# Altium PCB MotorDriver.PcbDoc
Units mil, origin at the board's own origin, x right, y up, seen from the top; angles counter-clockwise.
Board outline 2820.03 x 1705.03 mil, 2 copper layers (Top Layer, Bottom Layer); 54 components, 34 nets, 165 pads, 107 vias.
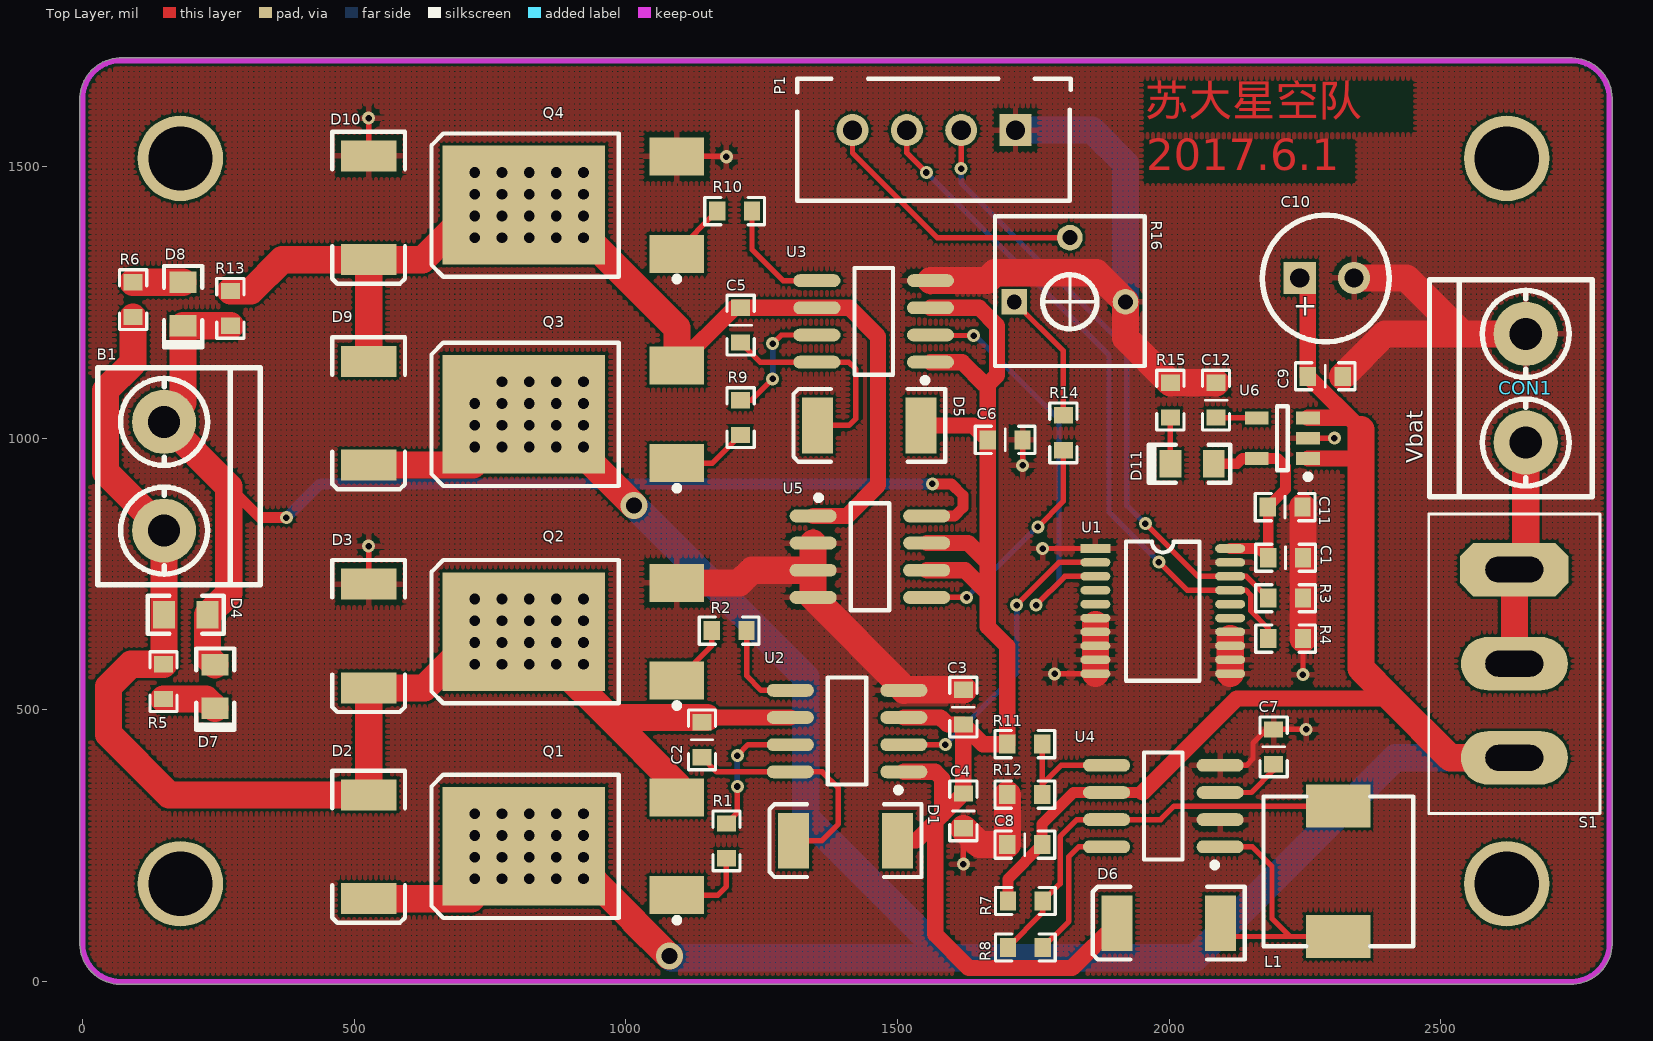
[diagram p0: Top Layer view]
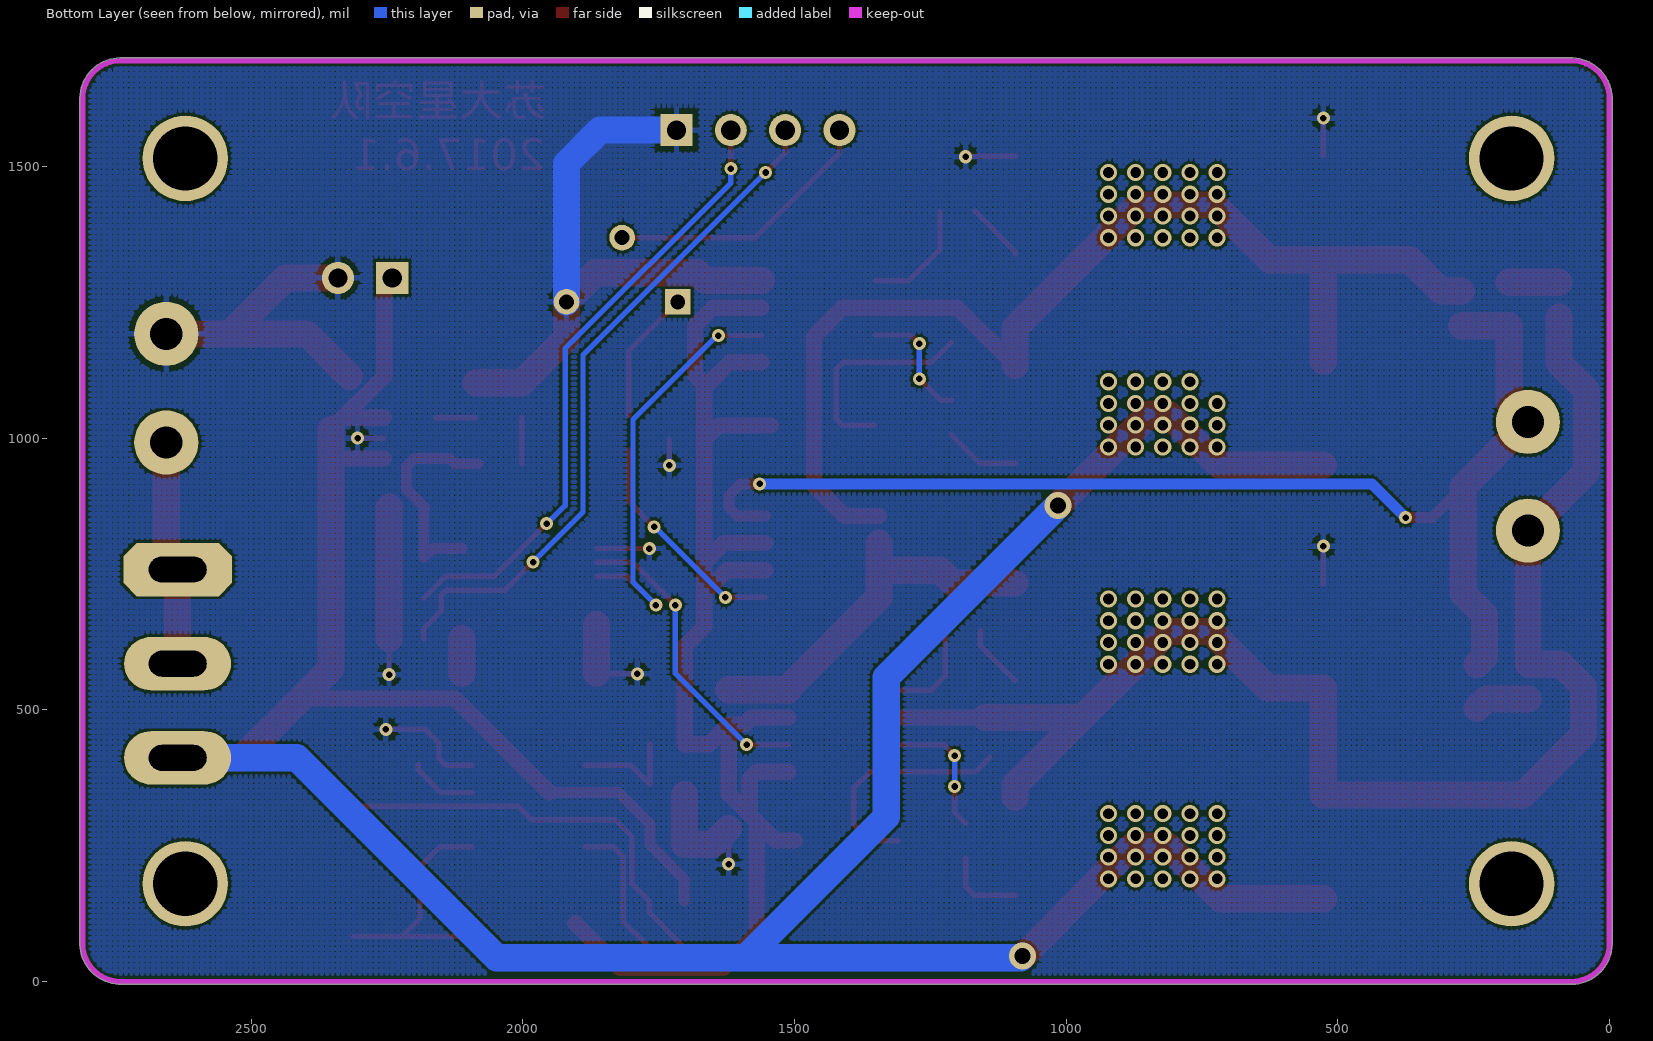
[diagram p1: Bottom Layer view, seen from below]
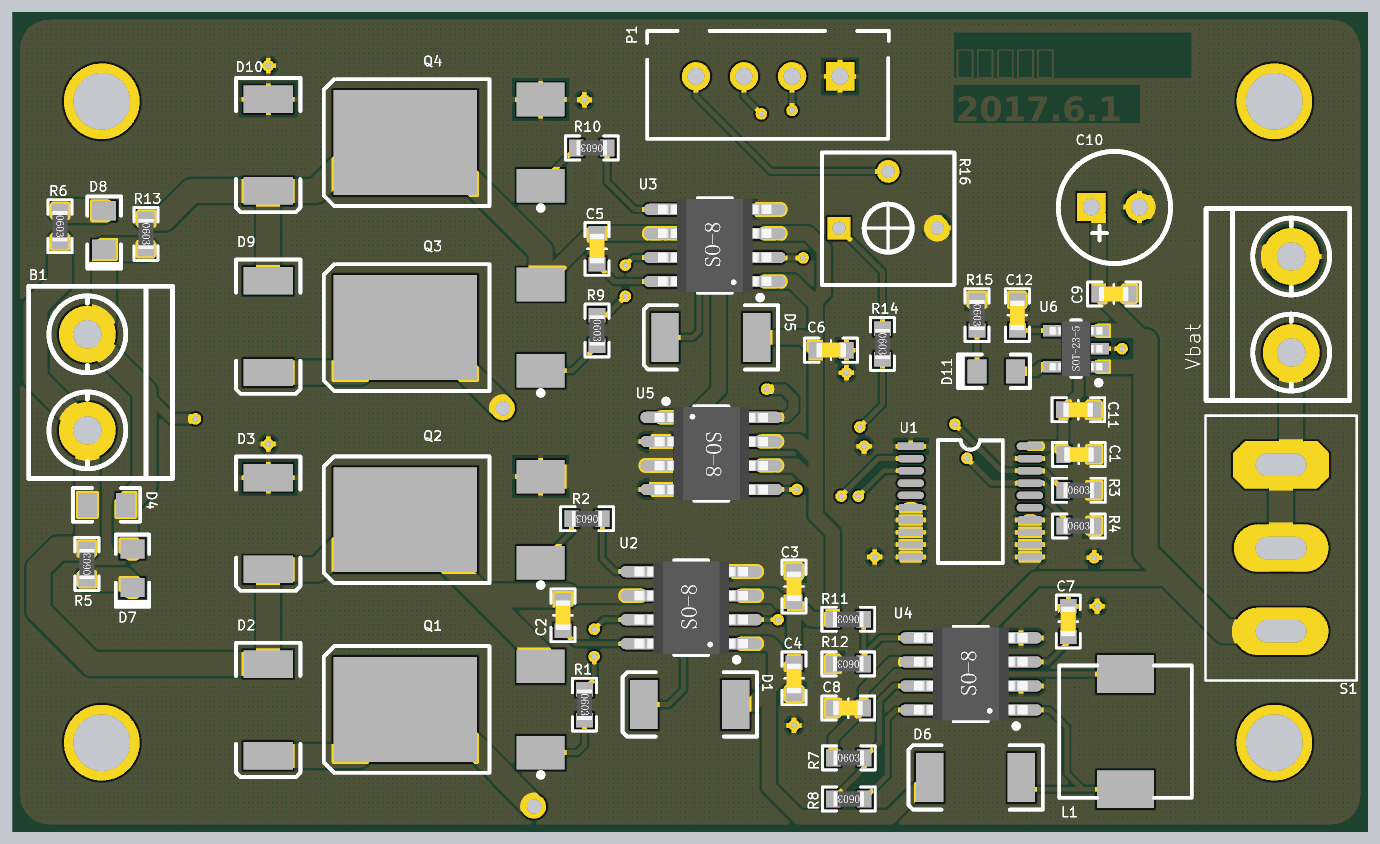
[diagram p2: 3D render of the assembled board from above, using the file's embedded part models]

## Layer stack, top to bottom
Top Solder: solder mask 0.4, Solder Resist, Dk 3.5
Top Layer: signal copper 1.4
Dielectric 1: dielectric 12.6, FR-4, Dk 4.8
Bottom Layer: signal copper 1.4
Bottom Solder: solder mask 0.4, Solder Resist, Dk 3.5

## Board outline
-4.88,68.97 cw(c0,70.13) -5.01,70.13 -5.01,1626 cw(c0,1626) -4.85,1627.27 cw(c70,1625) 67.73,1699.85 cw(c69,1695) 69,1700.01 2739.87,1700.01 cw(c2739.87,1695) 2741.03,1699.88 cw(c2740,1625) 2814.88,1626.03 cw(c2810,1624.87) 2815.01,1624.87 2815.01,70 cw(c2810,70) 2814.88,68.83 cw(c2740,70) 2743.43,-4.81 cw(c2742,0) 2742,-5.01 70.13,-5.01 cw(c70.13,0) 68.97,-4.88 cw(c70,70)

## Design rules (kind name [scope] priority, off if disabled: settings)
Clearance [All] p1: gap=5
MinimumSolderMaskSliver [All] p1: minsoldermaskwidth=0
PolygonConnect [All] p1: connectstyle=Relief reliefconductorwidth=10 reliefentries=4 polygonreliefangle="90 Angle" airgapwidth=10
RoutingVias [All] p1: holewidth=28 width=50 viastyle="Through Hole" minholewidth=1 minwidth=10 maxholewidth=50 maxwidth=100
SilkToSilkClearance [All] p1: silktosilkclearance=0
SilkToSolderMaskClearance [IsPad] p1: minsilkscreentomaskgap=0 clearancetoexposedcopper=TRUE
SolderMaskExpansion [All] p1: expansion=4
Width [All] p1: maxlimit=100 minlimit=5 preferedwidth=10 minimp=50.000000 maximp=50.000000 favimp=50.000000
27 further rules are at their usual default settings.

## Components (designator, comment, footprint, x,y, rotation, side; value= is the part's Value field where it differs from the comment)
B1 "Motor" KF301-2P 150,930 r0 top
C1 "Cap" 0603C 2214,780 r0 top
C2 "Cap" 0603C 1140,445 r90 top
C3 "Cap Pol1" 0603C 1621,505 r90 top
C4 "Cap Pol1" 0603C 1621,314 r270 top
C5 "Cap" 0603C 1211,1208 r90 top
C6 "Cap Pol1" 0603C 1698,997 r0 top
C7 "Cap" 0603C 2192,432 r90 top
C8 "Cap Pol1" 0603C 1734,252 r180 top
C9 "Cap" 0603C 2287,1114 r180 top
C10 "Cap Pol1" Cap-Pol-220uf16V 2240,1295 r180 top
C11 "Cap" 0603C 2213,873 r180 top
C12 "Cap" 0603C 2086,1070 r270 top
CON1 "Vbat" KF301-2P 2656,1092 r180 top
D1 "IN5819" "DL-41 - duplicate" 1404,259 r180 top
D2 "IN5819" "DL-41 - duplicate" 527,248 r270 top
D3 "IN5819" "DL-41 - duplicate" 527,636 r270 top
D4 "U" 0805(2012) 190,675 r180 top
D5 "IN5819" "DL-41 - duplicate" 1448,1023 r180 top
D6 "IN5819" "DL-41 - duplicate" 1999,107 r180 top
D7 "RED" 0805LED 244,543 r270 top
D8 "RED" 0805LED 185,1247 r270 top
D9 "IN5819" "DL-41 - duplicate" 527,1046 r270 top
D10 "IN5819" "DL-41 - duplicate" 527,1424 r270 top
D11 "RED" 0805LED 2042,953 r180 top
L1 "Inductor" 电感8*8_1 2336,413 r90 top
P1 "电机" XH1X4 1717,1567 r180 top
Q1 "IR7843" LR7843 952,249 r0 top
Q2 "IR7843" LR7843 952,644 r0 top
Q3 "IR7843" LR7843 952,1044 r0 top
Q4 "IR7843" LR7843 952,1429 r0 top
R1 "Res2" 0603R 1185,259 r270 top
R2 "Res2" 0603R 1190,646 r180 top
R3 "Res2" 0603R 2214,705.5 r0 top
R4 "Res2" 0603R 2214,631 r0 top
R5 "Res2" 0603R 149,552 r90 top
R6 "Res2" 0603R 93,1255 r270 top
R7 "Res2" 0603R 1735,148.31 r0 top
R8 "Res2" 0603R 1735,62.75 r180 top
R9 "Res2" 0603R 1211,1038 r270 top
R10 "Res2" 0603R 1200,1418 r180 top
R11 "Res2" 0603R 1734,437 r180 top
R12 "Res2" 0603R 1734,344 r180 top
R13 "Res2" 0603R 272,1239 r270 top
R14 "Res2" 0603R 1805,1010 r270 top
R15 "Res2" 0603R 2002,1070 r270 top
R16 "500K" VR_3362P 1817,1251 r0 top
S1 "SW-SPDT" SWICH_2 2635,585 r0 top
U1 "74lvc245" "74lvc245 TSSOP" 1864,797 r0 top
U2 "IR2104S" SOIC-8 1407,461 r180 top
U3 "IR2104S" SOIC-8 1456,1215 r180 top
U4 "MC34063" SOIC-8 1989,323 r180 top
U5 "INA282" SOIC-8 1449,782 r0 top
U6 "MIC5219" SOT23-5 2208,1000 r180 top

## Footprints (in the part's own frame and the unit in brackets; to place one, negate y for a bottom-side part, rotate by r counter-clockwise, add the part's x,y. Pads: shape width x height; smd on the part's side, far side on the other; paste and mask are expansions set on the pad)
"74lvc245 TSSOP" [mm]
  rect 1.4x0.4 smd: 1(0,0)
  oval 1.4x0.4 smd: 2(0,-0.65) 3(0,-1.3) 4(0,-1.95) 5(0,-2.6) 6(0,-3.25) 7(0,-3.9) 8(0,-4.55) 9(0,-5.2) 10(0,-5.85) 11(6.3,-5.85) 12(6.3,-5.2) 13(6.3,-4.55) 14(6.3,-3.9) 15(6.3,-3.25) 16(6.3,-2.6) 17(6.3,-1.95) 18(6.3,-1.3) 19(6.3,-0.65) 20(6.3,0)
  silkscreen extent 1.43,-6.17 4.87,0.33
0603C [mil]
  rect 30x35 smd: 1(-32,0) 2(32,0)
  silkscreen extent -55,-25 55,25, body extent -31,-16 32,16, height 22
0603R [mil]
  rect 30x35 smd: 1(-32,0) 2(32,0)
  silkscreen extent -55,-25 55,25, body extent -31,-16 31,16, height 18
0805(2012) [mil]
  rect 40x50 smd: 1(-40,0) 2(40,0)
  silkscreen extent -70,-35 70,35
0805LED [mil]
  rect 40x50 smd: 1(-40,0) 2(40,0)
  silkscreen extent -70,-35 80,35
Cap-Pol-220uf16V [mm]
  rect 1.5x1.5 hole 0.9: 1(0,0)
  round 1.5 hole 0.9: 2(-2.54,0)
  silkscreen extent -4.19,-2.94 1.75,2.99
"DL-41 - duplicate" [mm]
  rect 1.45x2.6 smd: 1(-2.425,-0.012) 2(2.425,-0.012)
  silkscreen extent -3.55,-1.71 3.55,1.69
KF301-2P [mm]
  round 3 hole 1.5: 1(0,-2.54) 2(0,2.54)
  silkscreen extent -3.1,-5.08 4.5,5.08
LR7843 [mm]
  rect 2.54x1.778 smd: 1(3.6,-2.28) 3(3.6,2.28)
  rect 7.6x5.55 smd: 2(-3.556,0)
  silkscreen extent -7.87,-3.58 3.73,3.35
SOIC-8 [mm]
  oval 2.2x0.6 smd: 1(-2.654,1.905) 2(-2.654,0.635) 3(-2.654,-0.635) 4(-2.654,-1.905) 5(2.654,-1.905) 6(2.654,-0.635) 7(2.654,0.635) 8(2.654,1.905)
  silkscreen extent -2.53,-2.5 0.9,2.88, body extent -3,-2.45 3,2.45, height 1.7
SOT23-5 [mm] "Max4173"
  rect 1.1x0.6 smd: 1(-1.2,0.95) 2(-1.2,0) 3(-1.2,-0.95) 4(1.2,-0.95) 5(1.2,0.95)
  silkscreen extent -1.33,-1.5 0.25,1.92, body extent -1.4,-1.45 1.4,1.45, height 1.2
SWICH_2 [mm]
  oval 5x2.5 hole 1.2 slot 2.7 at 0 deg: 1(0,-4.4) 2(0,0)
  oct 5.08x2.5 hole 1.2 slot 2.7 at 0 deg: 3(0,4.4)
  silkscreen extent -4,-7 4,7
VR_3362P [mm] "Potentiometer; 3 Leads"
  rect 1.2x1.2 hole 0.7: 1(-2.6,0)
  round 1.2 hole 0.7: 2(0,3) 3(2.6,0)
  silkscreen extent -3.5,-3 3.5,4
XH1X4 [mm] "Connector; Header; 4 Position"
  rect 1.5x1.5 hole 0.9: 1(0,0)
  round 1.5 hole 0.9: 2(2.54,0) 3(5.08,0) 4(7.62,0)
  silkscreen extent -2.58,-2.4 10.2,3.3
电感8*8_1 [mm]
  rect 2x3 smd: 1(-8.382,0.635) 2(-2.286,0.635)
  silkscreen extent -8.83,-2.87 -1.83,4.14

## Part data
B1: library part "Motor Servo", "Servo Motor"
C1 C2 C5 C7 C9 C11 C12: "Capacitor"
C3 C4 C6 C8 C10: "Polarized Capacitor (Radial)"
CON1: library part "Header 2", "Header, 2-Pin"
D1 D2 D3 D5 D6 D9 D10: library part Diode, "Default Diode"
D4: library part "Res Varistor", "Varistor (Voltage-Sensitive Resistor)"
D7 D8 D11: library part LED2, "Typical RED, GREEN, YELLOW, AMBER GaAs LED"
P1: library part "Header 4", "Header, 4-Pin"
Q1 Q2 Q3 Q4: library part NMOS-2, "N-Channel Power MOSFET"
R1 R2 R3 R4 R5 R6 R7 R8 R9 R10 R11 R12 R13 R14 R15: "Resistor"
R16: library part RES-ADJ
S1: "SPDT Subminiature Toggle Switch, Right Angle Mounting, Vertical Actuation"
U1: "8位5伏转3.3伏电平转换芯片"
U6: "LDO"

## Free pads (board coordinates)
  round 157.48 hole 118.11: 0(180,1515.04) 1(2620.94,1515.04) 2(180,180) 3(2620.94,180)

## Via types
v1: diameter 31.5, hole 19.68, Top Layer to Bottom Layer, 79 vias
v2: diameter 24, hole 12, Top Layer to Bottom Layer, 26 vias
v3: diameter 50, hole 30, Top Layer to Bottom Layer, 2 vias

## Nets (pads, with @x,y where several pads share a name; then routed paths per layer and width w, separated by ;. In a path a pad name is that pad's centre, name@x,y a point inside that pad or via, vN(x,y) a via of type N, cw(c..) or ccw(c..) an arc to the next point about the centre after c; other vN are vias at no path point)
3V3: C1.1 C11.2 D11.1 U1.20 U6.5 | length 401.1
  Top Layer w20: D11.1 2125,953 2134.6,962.6 U6.5 2199.4,962.6 2214,948 2214,906 C11.2 2182,872 C1.1 2165,797 U1.20
12V: C3.1 C4.1 C6.1 D1.1 D5.1 D6.2 R11.2 U2.1 U2.3 U3.1 U3.3 U5.6 U5.7 | length 2674.5
  Top Layer w30: D1.1 1534.47,259.47 1569,294 ; U2.1 1569,386 1582,373 1582,307 ; U2.3 1579,486 1592,473 C3.1 ; D5.1 1639.53,1023.47 C6.1 ; U5.6 1624,757 1666,715 ; U5.7 1630,807 1666,771 ; U3.1 1619,1140 1660,1099 ; U3.3 1650,1240 1683,1207 1683,1116 1666,1099 C6.1 ; D6.2 1821.06,25 1631,25 1569,87 1569,294 ; 1569,294 1582,307 ; 1582,307 1620,345 1621,345 C4.1 C3.1 ; C3.1 1657,437 R11.2 1702,617 1666,653 1666,715 ; 1666,715 1666,771 ; 1666,771 C6.1
CURRENT: P1.4 R16.2 | length 506.6
  Top Layer w10: P1.4 1417,1525 1572.89,1369.11 R16.2
GND: C1.2 C3.2 C4.2 C6.2 C7.2 C8.2 C9.1 C10.2 C11.1 C12.1 CON1.1 D3.1 D10.1 P1.1 Q2.3 Q4.3 R3.2 R4.2 R12.2 R15.1 R16.3 U1.1 U1.6 U1.7 U1.8 U1.9 U1.10 U1.11 U1.12 U1.13 U1.14 U1.19 U2.4 U3.4 U4.2 U4.4 U5.2 U5.3 U5.4 U6.2 | length 3998.5
  Top Layer w10: D3.1 v2(526.53,801.47) ; D10.1 v2(526.53,1589) ; Q4.3 1184.24,1518.76 v2(1185,1518) ; v2(1621,216) C4.2 ; v2(1730,950) C6.2 ; v2(1767,797) U1.1 ; v2(1789,566.37) 1789.32,566.68 U1.10 ; U4.4 2141.75,398 2154,410.25 2154,439 2179,464 C7.2 v2(2252,464) ; v2(2246,565) R4.2 ; U6.2 v2(2304,1000)
  Top Layer w50: Q2.3 1208.76,733.76 1232,757 U5.3 ; U5.2 U5.3 ; U3.4 1663.97,1290 1678.59,1304.62 1865.74,1304.62 R16.3 1919.36,1184.64 R15.1 C12.1 ; C4.2 1651,252 C8.2 R12.2 ; C3.2 1512.49,537 U2.4 1511.49,540.02 U5.4 U5.3 ; U1.10 U1.9 U1.8 U1.7 1864,656.76 ; U1.11 U1.12 U1.13 2112.03,631.17 ; C11.1 2246,872 C1.2 R3.2 R4.2 ; C9.1 2397,1192 CON1.1 2539,1192 2436,1295 C10.2
  Bottom Layer w10: v2@1766,798 v2(1767,797) ; v2(1789,566.37) v2@1791.37,564 ; v2(2246,565) v2@2246,566 ; v2(2252,464) v2@2253,463
  Bottom Layer w50: P1.1 1858,1567 1919.36,1505.64 R16.3
IN+: B1.2 D4.1 D7.1 D8.2 R13.2 U5.8 | length 2301.5
  Top Layer w20: 269,911 326,854 v2(375,854) ; U5.8 1605,857 1620,872 1620,895 1599,916 v2(1564,916)
  Top Layer w50: D7.1 230,597 D4.1 269,714 269,911 B1.2 185,1065 D8.2 R13.2
  Bottom Layer w20: v2(375,854) 437,916 v2(1564,916)
MOTOR_PWM1: U1.2 U2.2 | length 565.3
  Top Layer w10: U2.2 v2(1588,436) ; v2(1719,693) 1797.41,771.41 U1.2
  Bottom Layer w10: v2(1588,436) 1719,567 v2(1719,693)
MOTOR_PWM2: U1.3 U3.2 | length 790.4
  Top Layer w10: U3.2 1561.49,1189 v2(1640,1189) ; v2(1755,693) 1807.82,745.82 U1.3
  Bottom Layer w10: v2(1640,1189) 1642,1189 1797,1034 1797,735 v2(1755,693)
NetC2_1: C2.1 D1.2 U2.8 | length 435.7
  Top Layer w10: C2.1 1167,386 U2.8 1361,386 1391,356 1391,290 1360.47,259.47 D1.2
NetC5_1: C5.1 D5.2 U3.8 | length 399
  Top Layer w10: C5.1 1247,1140 U3.8 1410,1140 1423,1127 1423,1035.94 1410.53,1023.47 D5.2
NetC7_1: C7.1 U4.3 | length 126.5
  Top Layer w10: U4.3 2151,348 2192,389 C7.1
NetC12_2: C12.2 U6.4 | length 75
  Top Layer w10: C12.2 2160.16,1038 U6.4
NetCON1_2: CON1.2 S1.2 S1.3 | length 415.7
  Top Layer w10: S1.3 S1.3@2656,779.23
  Top Layer w50: S1.2 S1.3 ; S1.3@2656,779.23 CON1.2
NetD6_1: D6.1 L1.1 U4.1 | length 479.8
  Top Layer w10: U4.1 2153,248 2189,212 2189,116 2222,83 ; D6.1 2118.94,83 2222,83 ; L1.1 2222,83
NetD7_2: D7.2 R5.1 | length 102
  Top Layer w50: R5.1 227,520 D7.2
NetD8_1: D8.1 R6.1 | length 92
  Top Layer w50: R6.1 D8.1
NetD11_2: D11.2 R15.2 | length 85
  Top Layer w10: D11.2 R15.2
NetL1_2: L1.2 R7.2 R8.2 U4.7 | length 779.2
  Top Layer w10: R8.2 1767,126.75 R7.2 1799,180.31 1799,267 1830,298 U4.7 1984,298 2009,323 L1.2
NetQ1_1: Q1.1 R1.2 | length 149.8
  Top Layer w10: Q1.1 1169.24,159.24 1185,175 R1.2
NetQ2_1: Q2.1 R2.2 | length 118.4
  Top Layer w10: Q2.1 1158,618.5 R2.2
NetQ3_1: Q3.1 R9.2 | length 138.7
  Top Layer w10: Q3.1 1159.24,954.24 R9.2
NetQ4_1: Q4.1 R10.2 | length 109.5
  Top Layer w10: Q4.1 1093.73,1343.73 R10.2
NetR1_1: R1.1 U2.7 | length 239.1
  Top Layer w10: R1.1 1205,311 v2(1205,359) ; v2(1205,416) 1225,436 U2.7
  Bottom Layer w10: v2(1205,359) v2(1205,416)
NetR2_1: R2.1 U2.5 | length 174.7
  Top Layer w10: R2.1 1222,563 1249,536 U2.5
NetR8_1: R8.1 U4.8 | length 264.1
  Top Layer w10: R8.1 1815,110.75 1815,230 1833,248 U4.8
NetR9_1: R9.1 U3.7 | length 228.3
  Top Layer w10: R9.1 1231,1070 v2(1270,1109) ; v2(1270,1174) 1286,1190 U3.7
  Bottom Layer w10: v2(1270,1109) v2(1270,1174)
NetR10_1: R10.1 U3.5 | length 214.1
  Top Layer w10: R10.1 1232,1347 1289,1290 U3.5
NetR11_1: R11.1 R12.1 U4.5 | length 207
  Top Layer w10: R11.1 1766,363 1801,398 U4.5
NetR14_1: R14.1 R16.1 | length 246.4
  Top Layer w10: R16.1 1805,1160.64 R14.1
NetR14_2: R14.2 U5.5 | length 420.2
  Top Layer w10: U5.5 v2(1627,707) ; v2(1758,837) 1805,884 R14.2
  Bottom Layer w10: v2(1627,707) 1758,838 v2(1758,837)
OUT1: B1.1 C2.2 D2.1 D3.2 D4.2 Q1.3 Q2.2 R5.2 R6.2 U2.6 | length 2694.6
  Top Layer w30: C2.2@1149,486 U2.6
  Top Layer w50: R6.2 93,1139 42,1088 42,938 B1.1 D4.2 150,585 R5.2 89,584 48,543 48,455 159.53,343.47 D2.1 D3.2 629.53,540.53 733,644 Q2.2 ; Q2.2@827,629 v1(872,584) 970,486 ; Q1.3 1093.73,362.27 970,486 ; C2.2@1149,486 970,486
  other v1: 722,584 772,584 822,584 922,584 722,624 772,624 822,624 872,624 922,624 722,664 772,664 822,664 872,664 922,664 722,704 772,704 822,704 872,704 922,704
OUT2: C5.2 D9.1 D10.2 Q3.3 Q4.2 R13.1 U3.6 U5.1 | length 2079.7
  Top Layer w30: Q3.3 1199.97,1240 C5.2 U3.6 1411.32,1240 1464,1187.32 1464,914 1407,857 U5.1
  Top Layer w50: R13.1 310,1271 367.53,1328.53 D10.2 ; D9.1 D10.2 ; Q4.2 726,1429 625.53,1328.53 D10.2 ; Q4.2@822,1429 868,1429 1093.73,1203.27 Q3.3
  other v1: 722,1369 772,1369 822,1369 872,1369 922,1369 722,1409 772,1409 822,1409 872,1409 922,1409 722,1449 772,1449 822,1449 872,1449 922,1449 722,1489 772,1489 822,1489 872,1489 922,1489
PWM1: P1.2 R3.1 U1.18 | length 1148
  Top Layer w10: v2(1617,1496) P1.2 ; v2(1956,843) 2053.18,745.82 U1.18 2141.68,745.82 R3.1
  Bottom Layer w10: v2(1617,1496) 1617,1470 1922,1165 1922,876 1955,843 v2(1956,843)
PWM2: P1.3 R4.1 U1.17 | length 1274.7
  Top Layer w10: P1.3 1517,1525 v2(1553,1489) ; v2(1981,772) 2032.77,720.23 U1.17 2140.77,720.23 2149.59,711.41 2149.59,682.67 2182,650.26 R4.1
  Bottom Layer w10: v2(1553,1489) 1889,1153 1889,864 v2(1981,772)
VCC: C8.1 C9.2 C10.1 D2.2 D9.2 Q1.2 Q3.2 R7.1 S1.1 U4.6 U6.1 U6.3 | length 6263.3
  Top Layer w20: R7.1 1703,189 C8.1 1766,290.29 1823.71,348 U4.6 1951,348
  Top Layer w30: 1951,348 2124,521 2408,521 ; C10.1 2255,1280 C9.2 2353,1016 2331.6,1037.4 U6.3 ; U6.1 2353,962.6
  Top Layer w50: D2.2 715.53,152.53 Q1.2 ; D9.2 718.53,950.53 Q3.2 847,1044 v3(1015,876) ; Q1.2@822,249 Q1.2@872,249 ; Q1.2@878,249 1013.73,113.27 1013.73,111.81 1078.54,47 v3(1080,47) ; 2353,1016 2353,576 2408,521 2517.23,411.77 S1.1
  Bottom Layer w50: v3(1015,876) 1331,560 1331,303 1590,44 ; v3(1080,47) 1083,44 1590,44 ; S1.1 2415.77,411.77 2048,44 1590,44
  other v1: 722,189 772,189 822,189 872,189 922,189 722,229 772,229 822,229 872,229 922,229 722,269 772,269 822,269 872,269 922,269 722,309 772,309 822,309 872,309 922,309 722,984 772,984 822,984 872,984 922,984 722,1024 772,1024 822,1024 872,1024 922,1024 722,1064 772,1064 822,1064 872,1064 922,1064 772,1104 822,1104 872,1104 922,1104
pads on no net: U1.4 U1.5 U1.15 U1.16

## Polygon pours and split planes (outlines as drawn)
GND on Top Layer "GND" (hatched 90Degree grid 10 track 8, remove dead copper, pour order 14): -18,1717 -15,1714 2869,1714 2869,3 2820,-46 2811,-37 -34,-37 -34,1701 -18,1717
GND on Bottom Layer "GND" (hatched 90Degree grid 10 track 8, remove dead copper, pour order 18): -14,1711 -11,1708 2828,1708 2828,-4 2818,-14 2814,-10 -31,-10 -31,1674 -7,1698 73,1778 170,1778

## Keep-outs
Keep-Out Layer:
  lines w10: 0,70.13 0,1626 ; 0.13,70 ccw(c70,70) 70,0.13 ; 0.13,1625 cw(c70,1625) 70,1694.87 ; 69,1695 2739.87,1695 ; 70.13,0 2742,0 ; 2740,0.13 ccw(c2740,70) 2809.87,70 ; 2740,1694.87 cw(c2740,1625) 2809.87,1625 ; 2810,70 2810,1624.87

## Other copper
Top Layer:
  text "苏大星空队" at 1956,1574 h100
  text "2017.6.1" at 1958,1474 h100

## Text inside footprints (layer, text, board x,y; h text height)
C10: Top Overlay "+" at 2227,1225 h40